# Altium PCB 2-quilter-output.PcbDoc (part 10 of 26)
Units mil, origin at the board's own origin, x right, y up, seen from the top; angles counter-clockwise.
Board outline 4130.55 x 4250 mil, 8 copper layers (L1, Ground L2, L3, Power L4, Ground L5, L6, Ground L7, L8), stack 62.985 mil thick; 591 components, 494 nets, 2245 pads, 1508 vias.
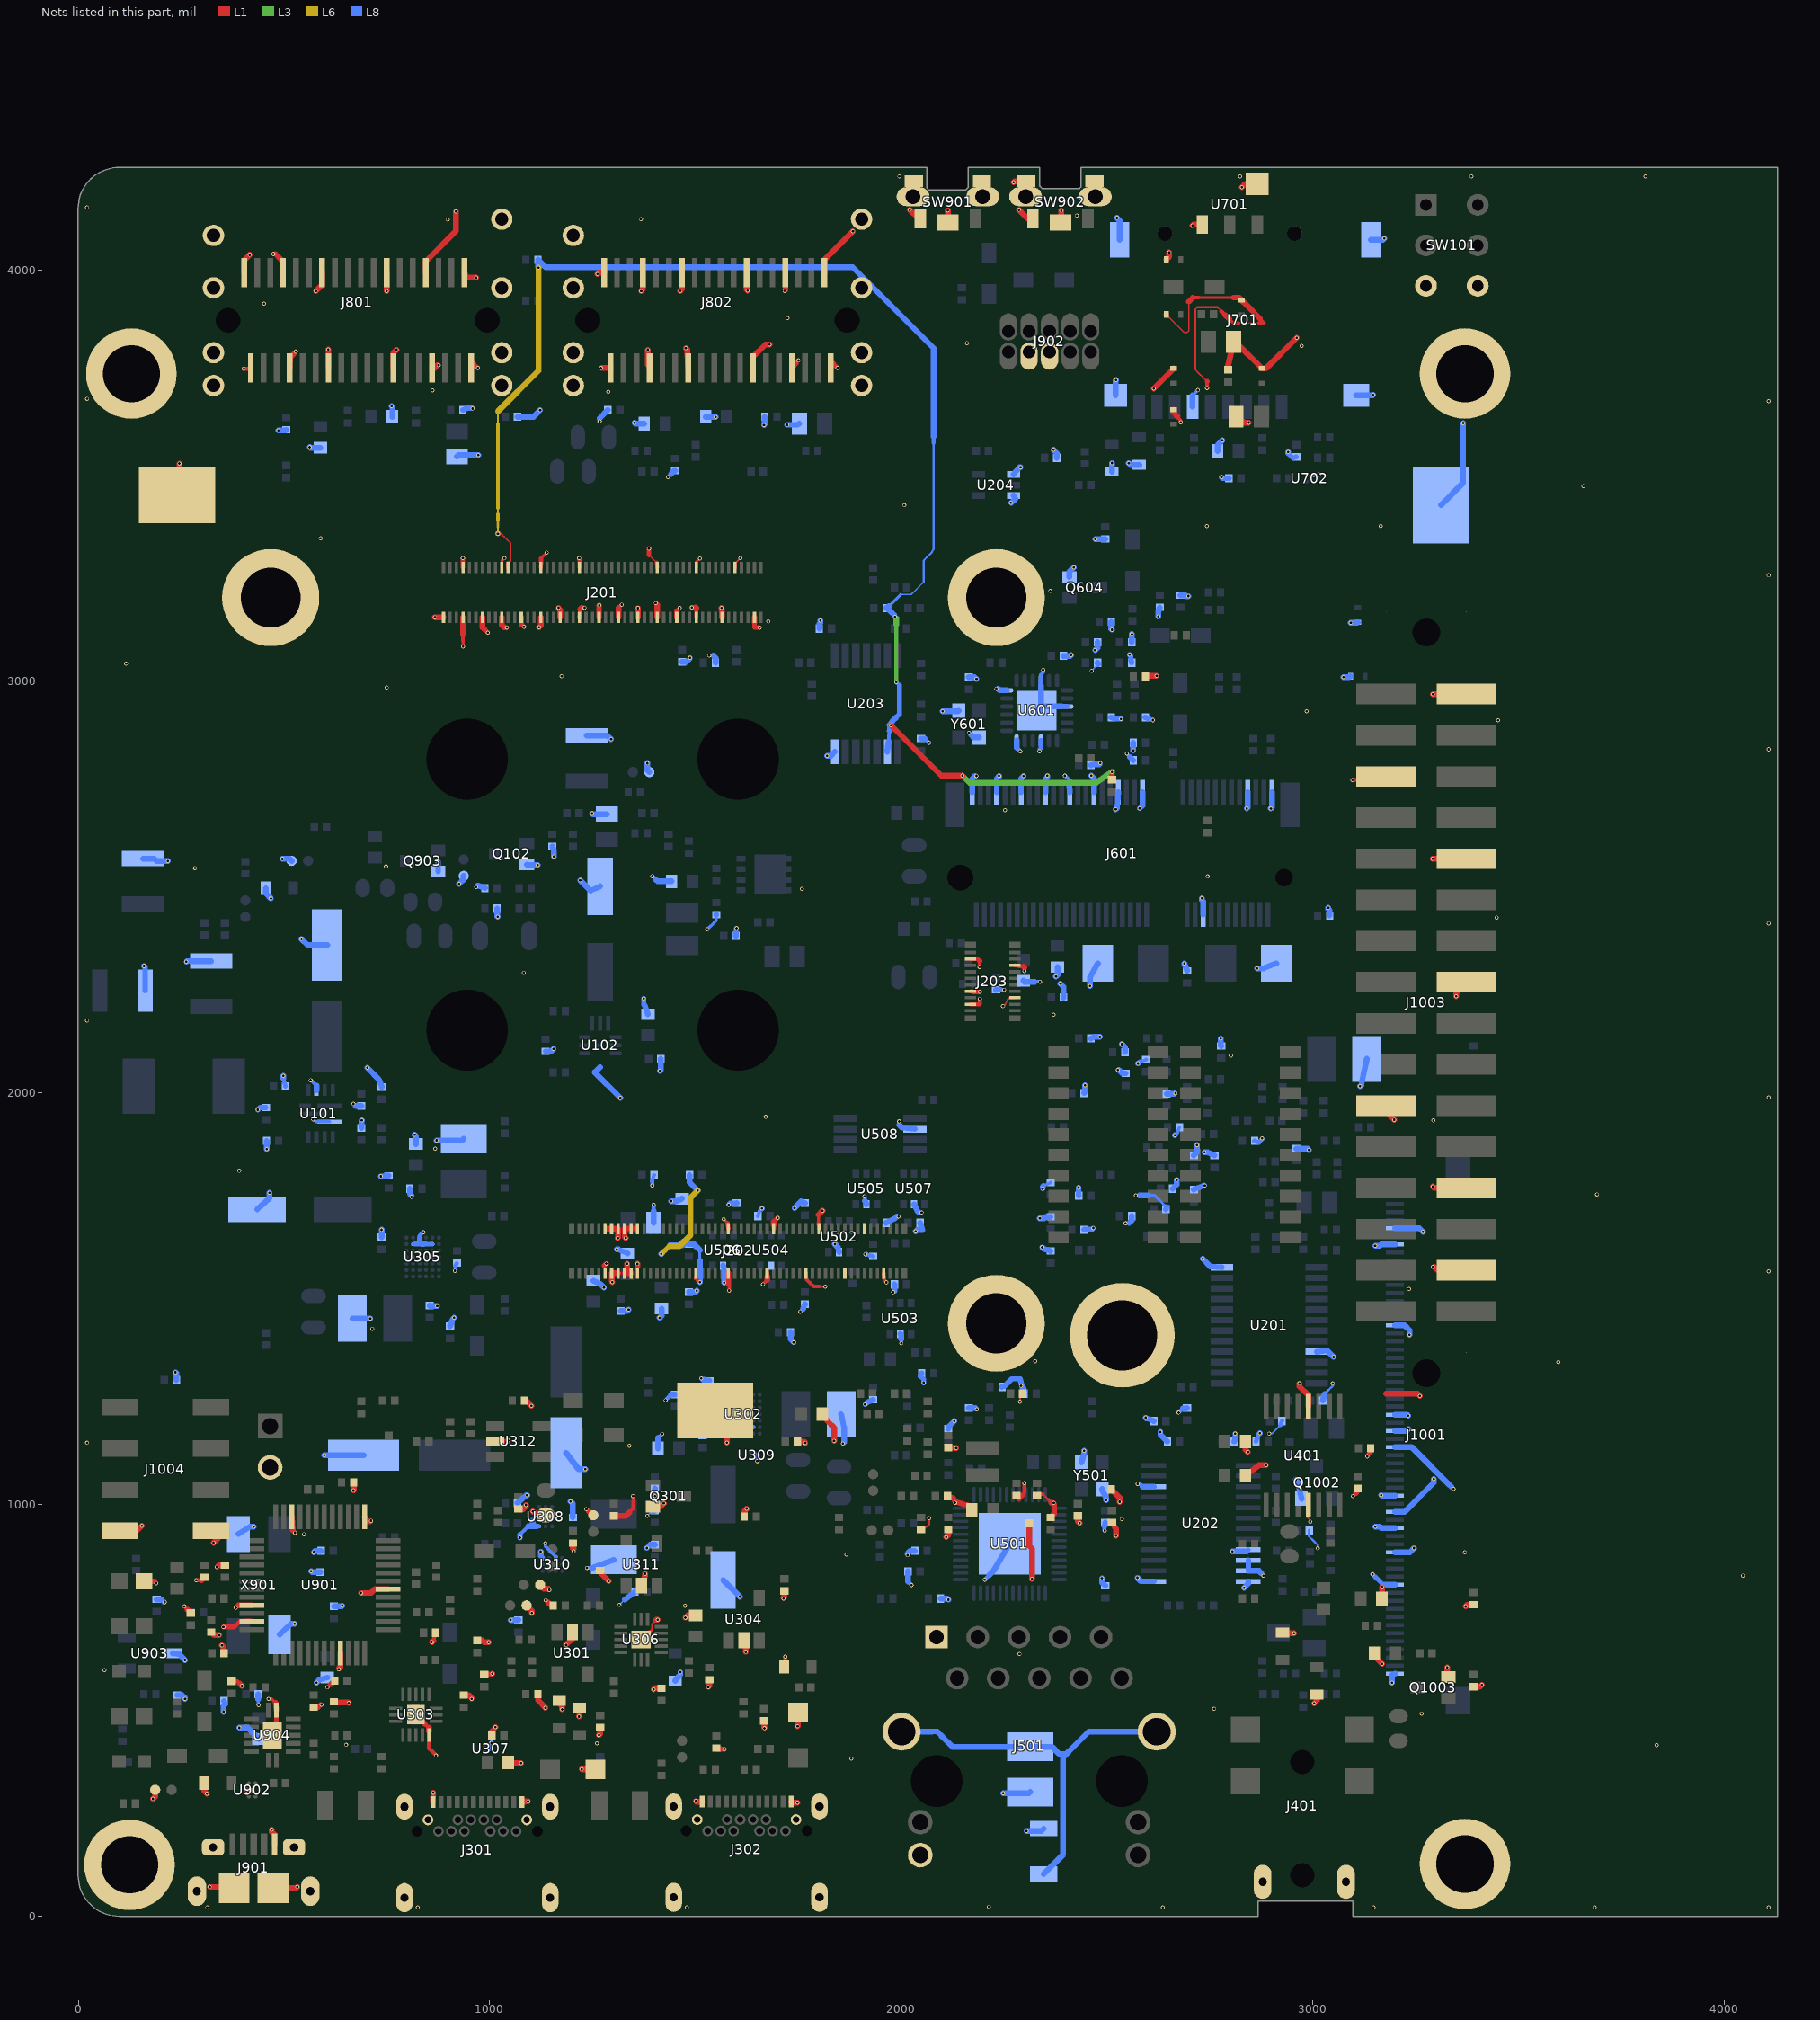
[diagram p16: the nets of this part, all layers, seen from the top]

## Via types
v1: diameter 9.85, hole 5.91, L1 to L8, tented both sides, 1508 vias

## Nets (pads, with @x,y where several pads share a name; then routed paths per layer and width w, separated by ;. In a path a pad name is that pad's centre, name@x,y a point inside that pad or via, vN(x,y) a via of type N, cw(c..) or ccw(c..) an arc to the next point about the centre after c; other vN are vias at no path point) (continued)
GND: BH1201.1 BH1202.1 BH1203.1 BH1204.1 BH1206.1 BH1207.1 BH1208.1 BH1209.1 C101.2 C103.2 C105.2 C106.2 C107.2 C108.2 C109.2 C113.2 C114.2 C116.2 C117.2 C119.2 C120.2 C121.2 C141.2 C142.2 C145.2 C157.2 C161.2 C201.2 C202.2 C203.2 C204.2 C205.2 C206.2 C207.2 C208.2 C209.2 C210.2 C211.2 C212.2 C213.2 C214.2 C215.2 C216.2 C217.2 C218.2 C219.2 C220.2 C221.2 C301.2 C302.2 C303.2 C304.2 C305.2 C308.2 C309.2 C311.2 C313.2 C314.2 C316.2 C317.2 C318.1 C319.2 C320.1 C321.2 C322.2 C323.2 C325.2 C326.2 C327.2 C329.2 C331.2 C332.1 C333.2 C334.2 C335.2 C336.1 C337.2 C338.2 C339.2 C340.2 C341.2 C342.2 C343.2 C344.2 C401.2 C402.2 C403.2 C404.1 C406.1 C407.2 C501.2 C502.2 C503.2 C504.2 C505.2 C506.2 C507.2 C508.2 C509.2 C510.2 C511.2 C512.2 C513.2 C514.2 C515.2 C516.2 C517.1 C518.2 C519.2 C520.2 C521.2 C522.2 C523.2 C524.2 C525.2 C526.2 C527.2 C603.2 C604.2 C605.2 C606.2 C607.2 C608.2 C609.2 C611.2 C613.2 C614.2 C617.2 C618.2 C620.2 C621.2 C622.2 C623.2 C624.2 C625.2 C702.2 C703.2 C704.2 C706.2 C707.2 C708.2 C801.2 C802.2 C803.2 C804.2 C805.2 C806.2 C807.2 C811.2 C812.2 C813.2 C814.2 C815.2 C901.2 C902.2 C903.2 C905.2 C906.2 C907.2 C908.2 C909.2 C910.2 C911.2 C912.2 C913.2 C914.2 C915.2 C916.2 C917.2 C918.2 C920.1 C1001.2 C1002.2 C1003.2 D101.A D301.A D303.A D702.A D703.A D704.A D705.A D706.A D707.A D708.C D1001.A D1002.A J101.2 J201.1 J201.7 J201.8 J201.13 J201.19 J201.20 J201.25 J201.31 J201.32 J201.37 J201.43 J201.44 J201.49 J201.55 J201.61 J201.67 J201.68 J201.73 J201.79 J201.80 J201.87 J201.92 J201.97 J202.9 J202.10 J202.11 J202.12 J202.13 J202.14 J202.15 J202.16 J202.17 J202.18 J202.19 J202.20 J202.47 J202.48 J202.60 J202.61 J202.72 J202.75 J202.84 J202.89 J202.96 J203.3 J203.6 J203.7 J203.16 J203.17 J301.A1 J301.A12 J301.B1 J301.B12 J301.SH1 J301.SH2 J301.SH3 J301.SH4 J302.A1 J302.A12 J302.B1 J302.B12 J302.SH1 J302.SH2 J302.SH3 J302.SH4 J401.1 J401.2 J501.1 J501.12 J601.1 J601.7 J601.18 J601.33 J601.39 J601.45 J601.51 J601.57 J601.63 J601.69 J601.75 J701.6 J701.10 J701.11 J701.12 J701.13 J801.A1 J801.A4 J801.A7 J801.A12 J801.A15 J801.A18 J801.B1 J801.B4 J801.B7 J801.B12 J801.B15 J801.B18 J801.T1 J801.T2 J801.T3 J801.T4 J801.T5 J801.T6 J801.T7 J801.T8 J802.A1 J802.A4 J802.A7 J802.A12 J802.A15 J802.A18 J802.B1 J802.B4 J802.B7 J802.B12 J802.B15 J802.B18 J802.T1 J802.T2 J802.T3 J802.T4 J802.T5 J802.T6 J802.T7 J802.T8 J901.5 J901.S1 J901.S2 J901.S3 J901.S4 J901.S5 J901.S6 J902.3 J902.5 J1001.5 J1001.7 J1001.17 J1001.28 J1001.30 J1001.32 J1001.38 J1001.40 J1001.42 J1001.45 J1001.49 J1001.60 J1003.6 J1003.9 J1003.14 J1003.20 J1003.25 J1003.30 J1003.34 J1003.39 J1004.7 J1004.8 Q102.2 Q301.2 Q604.2 Q903.2 Q1002.2 Q1003.2 R108.2 R109.2 R111.2 R115.2 R133.2 R139.2 R215.2 R301.2 R313.2 R314.2 R321.2 R322.2 R328.1 R329.1 R330.1 R333.2 R346.2 R357.2 R359.2 R361.1 R405.2 R514.1 R515.2 R517.2 R518.2 R520.2 R521.2 R522.2 R523.2 R524.2 R525.2 R618.1 R619.1 R620.1 R621.2 R622.2 R625.1 R921.2 R922.2 R930.1 R1033.2 R1102.2 R1104.2 R1106.2 R1108.2 R1110.2 R1112.2 R1114.2 R1116.2 R1118.2 R1120.2 R1122.2 R1124.2 R1126.2 R1128.2 R1130.2 R1132.2 R1134.2 R1136.2 R1139.2 R1140.2 SW101.3 SW101.6 SW901.1 SW901.3 SW901.4 SW901.5 SW901.6 SW901.7 SW902.1 SW902.3 SW902.4 SW902.5 SW902.6 SW902.7 TP1201.1 TP1202.1 TP1203.1 TVS303.1 TVS304.1 TVS307.1 TVS308.1 TVS401.1 TVS402.1 TVS701.1 TVS702.1 TVS901.1 U101.2 U101.10 U102.10 U201.12 U201.21 U202.9 U202.10 U202.11 U202.12 U202.13 U202.22 U203.7 U204.1 U204.3 U301.2 U302.A4 U302.B2 U302.B3 U302.B4 U302.B5 U303.5 U303.17 U304.2 U305.A4 U305.B2 U305.B3 U305.B4 U305.B5 U306.17 U307.B1 U308.B3 U308.D3 U309.B1 U310.B3 U310.D3 U311.2 U312.2 U401.4 U401.13 U501.49 U502.2 U503.2 U504.2 U505.2 U506.2 U507.2 U508.2 U601.6 U601.10 U601.15 U601.21 U601.24 U601.25 U701.3 U701.4 U702.B2 U901.9 U901.18 U901.25 U901.34 U901.45 U901.47 U902.B1 U903.2 U904.7 U904.15 X901.2 X901.4 Y501.2 Y501.4 Y601.2 Y601.4 | length 17087.6
  L1 w3.5: 1387.13,3306.94 1392.81,3301.25 1398.5,3295.57 1398.85,3295.57 J201.68@1405.75,3288.67 ; J201.92@1596.46,3286.53 1602.97,3293.03 v1(1609.47,3299.53) ; C504.2@2048.32,938.62 2058.31,941.63 2064.63,947.64 ; 2253.68,2214.99 2257.97,2225.44 ; D706.A@2644.37,3891.86 2655.33,3880.9 2666.27,3869.95 2677.22,3859 2688.17,3848.05 ; 2688.18,3848.05 2695.86,3848.05 2699.14,3851.32 ; 2699.14,3851.33 2699.14,3865.55 2699.14,3879.77 2699.14,3893.98 2699.14,3908.2 2699.14,3922.42 ; 2720.38,3909.21 2715.32,3904.15 2715.32,3889.45 2715.32,3874.75 2715.32,3860.06 2715.32,3845.36 2715.32,3830.67 2715.32,3815.97 2715.32,3801.27 2715.32,3786.58 2715.32,3771.88 2715.32,3757.18 2724.79,3747.71 2734.27,3738.23 2743.75,3728.75 ; 2768.94,3909.21 2778.55,3899.6 ; 2822.59,3870.76 2837.78,3870.76 2852.98,3870.76 2868.18,3870.76
  L1 w3.83: 1394.29,694.32 1394.29,708.53 1399.89,714.12 ; 2064.63,947.64 2068.37,951.38 ; v1@2248.93,2210.24 2253.68,2214.99 ; 2257.97,2225.44 2261.98,2229.46 ; v1(2289.09,1249.44) 2289.09,1260.15 C523.2@2295.32,1268.81 ; 2988.02,967.89 2994.51,961.4 v1(2994.51,958.07)
  L1 w4.85: J202.10@1278.81,1575.43 J202.10@1280.8,1561.94 ; 2344.54,1024.87 2352.14,1017.27 2359.74,1009.67 ; 2988.02,967.89 U401.13@2989.04,983.2
  L1 w5.87: J202.9@1280.8,1669.64 1284.8,1669.65 ; J202.19@1355.55,1670.35 J202.19@1359.54,1669.64 ; J202.20@1359.54,1561.94 J202.20@1359.55,1570.29 ; 1399.89,714.12 v1@1405.49,719.72 ; J201.80@1501.99,3289.68 v1(1511.09,3298.77) ; v1(1568.95,1693.01) 1578.69,1683.28 ; 1801.49,1529.1 v1(1815.54,1529.1) ; 2068.37,951.38 v1(2068.37,966.34) ; 2720.38,3909.21 2732.52,3909.21 2744.66,3909.21 2756.8,3909.21 2768.94,3909.21
  L1 w6.9: J201.20@1029.54,3276.42 1029.55,3284.68 1029.55,3292.94 v1(1035.65,3299.04) ; 1125.37,3299.48 1132.2,3306.32 v1(1139.04,3313.15) ; U306.17@1386.56,686.6 1394.29,694.32 ; 2261.98,2229.46 J203.6@2276.44,2230.9 ; 2723.44,3932.55 2737.6,3932.55 2751.77,3932.55 2765.94,3932.55 2780.11,3932.55 2794.28,3932.55 2807.94,3932.55 ; 2797.78,3880.37 2807.39,3870.76 2822.59,3870.76 ; 2868.18,3870.76 2883.37,3870.76 ; 2872.3,3881.85 2883.38,3870.77
  L1 w7.92: v1(257.62,751.8) C903.2@266.12,743.3 ; v1(462.19,527.08) 469.81,527.08 U904.7@479.67,517.22 ; v1@589.39,513.39 v1(591.24,513.39) ; v1(605.24,555.19) 606.37,555.19 614.53,563.35 ; v1(869.32,389.09) v1@869.32,390.39 ; v1@873.19,3767.95 v1(875.91,3767.95) ; 935.06,3098.86 935.06,3084.79 v1(935.53,3084.31) ; v1(1136.52,766.89) 1142.87,760.53 ; v1(1203.93,885.08) 1203.93,891.91 ; v1(1235.12,988.31) 1240.96,982.46 ; J202.10@1278.81,1575.43 1278.81,1580.29 ; J202.20@1359.55,1570.29 1359.55,1578.65 ; v1(1403.6,3190.07) 1407.5,3186.17 ; J201.80@1501.98,3276.42 J201.80@1501.99,3289.68 ; v1@1654.94,3131.24 v1(1656.05,3130.14) ; v1(1664.32,1534.67) 1674.51,1544.86 ; 1743.56,3772.71 v1(1750.67,3779.81) ; 1799.16,1683.15 1799.16,1693.37 1799.16,1703.59 ; 1959.3,1548.43 1959.3,1544.5 v1(1964.57,1539.24) ; v1(2190.92,2305.88) 2190.92,2320.28 ; v1(2247.8,2210.24) v1@2248.93,2210.24 ; v1(2299.69,2296.18) 2299.69,2304.29 ; 2709.27,3932.55 2723.44,3932.55 ; v1(2743.75,3712.82) 2743.75,3720.78 2743.75,3728.75 ; v1(3098.68,1020.04) 3105.98,1027.35 ; v1(3292.57,1577.21) v1@3296.18,1577.21
  L1 w8.94: v1(287.05,815.56) C908.2@299.66,815.56 ; v1(336.57,847.69) 340.8,851.93 ; v1(633.39,598.97) v1@633.39,601.39 ; v1@862.95,668.62 R921.2@865.82,678.19 ; 935.06,3098.86 935.06,3112.94 ; v1@1142.56,794.43 v1(1145.11,791.88) ; v1(1270.38,3761.26) v1@1272.65,3761.26 ; 1313.01,3178.73 v1(1320.74,3186.47) ; 1339.99,980.59 1348.75,989.35 1348.75,1004.51 v1(1348.75,1019.66) ; 1580.02,1535.03 1582.26,1532.79 v1(1582.26,1519.39) ; J201.92@1596.46,3276.42 J201.92@1596.46,3286.53 ; v1(1717.05,3948.74) v1@1718.98,3950.67 ; TVS308.1@1718.45,618.62 v1(1718.45,630.17) ; J202.72@1768.98,1561.94 1769.77,1553.95 1770.56,1545.97 1778.99,1537.53 1787.42,1529.1 ; 1787.43,1529.1 1801.49,1529.1 ; 1799.16,1683.15 J202.75@1800.48,1669.64 ; v1(2130.97,1003.78) v1@2132.62,1005.42 ; 2299.69,1038.44 v1(2299.69,1051.67) ; C512.2@2330.32,1021.63 2337.51,1024.87 2344.54,1024.87 ; 2672.4,3643.08 2679.64,3633.06 v1(2679.64,3629.36) ; v1(3096.91,2760.25) J1003.9@3111.66,2760.25 ; v1(3133.42,1116.51) v1@3133.42,1117.95
  L1 w9.96: 185.19,812.83 v1(189.61,808.42) ; C915.2@372.87,569.7 386.51,569.7 392.18,564.03 ; 379.56,701.96 386.17,708.57 U901.47@392.78,715.18 ; v1(382.99,748.46) 383.24,748.46 389.37,754.59 ; v1(402.79,3759.59) J801.A1@417.58,3759.59 ; v1(473.93,4038.51) 479.44,4038.51 ; v1@709.84,958.18 v1(711.75,960.09) ; U303.17@841.76,467.37 852.26,456.86 ; U303.5@852.26,448.09 U303.5@852.26,439.33 852.26,428.69 852.26,418.07 852.26,407.44 860.79,398.92 v1@869.32,390.39 ; R921.2@865.82,678.19 R921.2@868.7,687.75 ; v1(934.83,3299.26) 934.83,3287.96 934.83,3276.65 J201.8@935.06,3276.42 ; 988.72,3124.78 v1(995.14,3118.36) ; 1076.79,3139.39 v1(1083.59,3132.59) ; J201.32@1124.02,3276.42 1125.37,3290.43 ; v1(1217.62,3299.55) 1218.52,3298.65 1218.52,3287.53 J201.44@1218.51,3276.42 ; 1223.72,3178.81 v1(1230.66,3178.81) ; J201.68@1405.75,3288.67 J201.68@1407.49,3276.42 ; 1454.74,3170.72 1461.85,3177.83 v1(1461.85,3177.92) ; J201.79@1501.98,3155.16 1501.99,3166.52 1501.99,3177.88 ; J202.60@1674.51,1553.4 J202.60@1674.5,1561.94 ; v1(1714.21,770.53) v1@1714.21,773.16 ; J202.96@1957.96,1561.94 1959.3,1548.43 ; J203.3@2168.74,2215.14 2180.2,2215.14 2191.65,2215.14 v1(2191.67,2228.43) ; J203.7@2168.74,2246.65 2173.95,2246.65 J203.7@2175.46,2245.14 ; J203.17@2168.74,2325.39 2177.28,2325.39 2185.82,2325.39 2190.92,2320.29 ; J203.16@2276.44,2309.64 2286.93,2308.09 2297.42,2306.56 ; 2292.83,1021.03 2299.69,1027.88 2299.69,1038.44 ; 2359.74,1009.67 2365.19,1003.62 ; 2778.55,3899.6 2788.16,3889.98 ; U401.13@2989.04,983.2 U401.13@2990.06,998.52
  L1 w10.99: U901.47@392.78,715.18 U901.47@407.59,715.18 ; v1(408.69,305.95) 417.6,305.91 U902.B1@422.64,305.92 ; U904.15@481.46,469.6 481.46,484.67 U904.7@481.46,499.74 ; 521,936.81 v1(527.09,930.73) ; 522.18,3794.32 v1(528.91,3801.06) ; J801.A18@960.77,3771.56 v1(971.15,3761.18) ; C303.2@1005.06,448.69 v1@1014.33,457.96 ; 1035.48,3130.77 v1(1041.84,3130.77) ; 1125.37,3290.43 1125.37,3299.48 ; J201.43@1219.49,3165.35 1220.46,3175.55 ; 1387.13,3306.94 v1(1387.13,3322.59) ; v1(1491.39,3179.42) 1500.45,3179.42 ; 1578.69,1683.28 1578.69,1683.15 J202.47@1580.01,1669.64 ; J201.97@1643.72,3143.19 1643.72,3131.24 v1@1654.94,3131.24 ; J202.61@1690.24,1669.64 J202.61@1690.24,1677.94 ; J802.A18@1835.4,3771.68 v1(1845.72,3761.36) ; J203.7@2175.46,2245.14 2183.56,2245.14 v1(2191.65,2245.14) ; v1@3133.42,1117.95 3141.32,1125.85 C404.1@3141.33,1136
  L1 w12.01: v1(352.68,701.96) 365.93,701.96 379.56,701.96 ; 582.99,506.99 v1@589.39,513.39 ; v1(956.4,526.89) v1@956.4,529.14 ; J201.43@1218.51,3155.16 J201.43@1219.49,3165.35 ; v1@1265.77,3183.97 v1(1266.24,3184.45) ; 1278.81,1580.29 v1(1283.43,1584.92) ; v1(1531.3,555.71) v1@1534.06,558.47 ; 1561.34,405.34 v1(1569.97,405.34) ; v1(1667.99,455.79) v1@1667.99,457.11 ; 1690.24,1686.24 v1(1700.23,1696.24) ; J802.A15@1734.73,3761.22 J802.A15@1736.45,3765.6 ; v1@2371.05,1000.55 v1(2371.05,1003.38)
  L1 w13.03: v1(408.69,305.95) v1(408.69,305.95) ; 479.44,4038.51 488.7,4029.25 ; 982.3,3131.2 988.72,3124.78 ; 1265.77,3169.57 v1@1265.77,3183.97 ; J802.A4@1388.28,3761.22 J802.A4@1388.29,3765.21 ; 1580.02,1535.03 1580.02,1548.48 J202.48@1580.01,1561.94 ; v1@1718.98,3950.67 1718.98,3964.95 1718.98,3979.23 J802.B15@1718.98,3993.5 ; 2125.57,1015.09 v1@2132.18,1006.83 ; v1@2132.62,1005.42 v1@2132.62,1006.52 ; 2699.14,3922.42 2709.27,3932.55 ; 2807.94,3932.55 2821.6,3932.55
  L1 w14.05: J1004.8@100.38,935.79 142.6,935.79 v1(154.31,947.5) ; D708.C@160.11,812.85 185.19,812.83 ; v1(181.59,284.22) 186.99,289.62 R930.1@186.99,305.92 ; TP1201.1@240,3452 245.69,3457.69 v1(245.69,3529.41) ; C903.2@266.12,743.3 C903.2@273.34,735.72 ; C908.2@299.66,815.56 C908.2@306.52,822.41 ; TVS901.1@305.9,322.3 305.91,303.58 v1(312.72,296.77) ; v1(319.83,70.06) 376.51,70.06 J901.S3@378.89,67.71 ; J1004.7@322.88,935.79 339.54,917.42 v1(328.81,906.69) ; C902.2@323.11,689.6 330.78,681.92 v1(342.6,681.92) ; 340.8,851.93 C907.2@356.28,851.93 ; v1(349.24,657.44) 353.32,653.36 353.32,641.16 C901.2@354.46,637.95 ; 389.37,754.59 U901.45@422.4,754.59 ; 392.18,564.03 v1(397.85,558.36) ; J801.B1@403.47,3993.5 403.46,4023.09 v1(416.84,4036.46) ; U901.47@407.59,715.18 U901.47@422.4,715.19 ; J801.A1@417.58,3759.59 J801.A1@419.22,3761.22 ; v1(470.12,209.2) 470.12,204.31 477.32,197.11 J901.5@477.31,173.02 ; U904.15@471.62,438.73 473.45,456.72 U904.15@481.46,469.59 ; J901.S4@473.37,67.71 530.04,67.7 v1(532.41,70.06) ; U904.7@479.67,517.22 U904.7@481.46,499.74 ; 488.7,4029.25 497.95,4020 J801.B4@497.96,3993.5 ; J801.A4@513.71,3761.22 515.44,3787.59 522.18,3794.32 ; U901.34@518.96,969.33 521,936.81 ; C916.2@571.94,506.98 582.99,506.99 ; v1(577.6,3948.24) 592.44,3963.08 J801.B7@592.45,3993.5 ; v1(607.54,3806.12) 608.19,3805.47 J801.A7@608.19,3761.22 ; 614.53,563.35 C909.2@623.53,571.54 ; C920.1@621.7,519.9 625.39,518.79 655.44,518.79 v1(657.4,516.84) ; v1@633.39,601.39 637.15,605.14 U901.9@637.15,638.34 ; v1(668.83,1033.65) 669.63,1034.44 R922.2@669.64,1052.99 ; v1(687,784.43) 700.41,784.43 711.35,784.43 720.91,794 U901.18@753.4,793.99 ; U901.25@696.25,969.34 702.93,958.18 v1@709.84,958.18 ; v1(749.46,3948.63) 749.92,3949.09 J801.B12@749.93,3993.5 ; J801.A12@765.67,3761.22 765.67,3797.62 v1(773.77,3805.72) ; U303.17@820.76,488.54 820.75,488.37 831.26,477.87 U303.17@841.76,467.37 ; J801.B15@844.41,3993.5 844.41,4020.72 918.33,4094.64 918.33,4122.48 v1(918.33,4142.02) ; U303.5@852.26,448.09 852.26,456.86 ; v1(859.64,665.3) v1@862.95,668.62 ; J801.A15@860.16,3761.22 866.46,3761.22 v1@873.19,3767.95 ; J301.A1@861.67,276.75 861.67,287.53 862.73,288.58 v1(862.73,299.36) ; v1(867.02,3155.86) 867.72,3155.16 J201.1@887.8,3155.16 ; 935.06,3112.94 935.06,3127.01 935.06,3141.08 J201.7@935.06,3155.16 ; R301.2@936.88,536.5 949.04,536.5 v1@956.4,529.14 ; J801.B18@938.9,3993.5 943.95,3980.71 v1(967.05,3980.71) ; J801.A18@954.65,3761.22 J801.A18@960.77,3771.57 ; C320.1@970.06,669.31 982.24,669.31 986.61,664.94 v1(997.42,664.94) ; 982.3,3131.2 J201.13@982.29,3155.16 ; C318.1@986.65,586.32 1003.98,586.32 v1@1006.14,588.48 ; C303.2@1005.07,438.73 C303.2@1005.06,448.69 ; U312.2@1013.49,1152.6 1042.74,1152.6 v1(1044.96,1154.81) ; v1@1014.33,457.96 v1(1014.33,458.25) ; J201.19@1029.54,3155.16 1029.55,3136.7 1035.48,3130.77 ; C319.2@1045.42,372.33 1046.68,371.06 v1(1076.09,371.06) ; C340.2@1069.59,988.42 1081.74,988.43 1088.59,995.27 v1(1088.59,998.36) ; 1076.79,3139.39 J201.25@1076.78,3155.16 ; J301.A12@1078.21,276.75 1084.89,276.75 1086.57,278.43 v1(1093.26,278.43) ; R346.2@1084.35,1252.21 1091.33,1249.62 v1(1101.66,1239.28) ; R361.1@1089.59,754.16 1102.46,741.28 v1(1102.46,736.12) ; v1(1104.99,982.61) 1106.53,981.07 C339.2@1135.95,973.18 ; R314.2@1117.53,538.34 1117.54,523.63 v1(1135.62,505.54) ; v1(1119.9,3131.56) 1124.04,3135.7 J201.31@1124.02,3155.16 ; R357.2@1122.77,803.97 1132.3,794.43 v1@1142.56,794.43 ; 1142.87,760.53 R313.2@1149.23,754.18 ; R313.2@1149.23,754.17 R313.2@1154.36,754.16 ; v1(1167.46,3178.67) 1167.46,3177.43 1171.28,3173.61 J201.37@1171.27,3155.16 ; TVS304.1@1168.9,522.33 1176.08,506.2 v1(1176.09,501.67) ; v1@1185.85,658.32 1201.3,673.76 U301.2@1201.3,689.13 ; C344.2@1202.3,905.42 1202.28,893.55 1203.93,891.91 ; v1(1217.1,484.15) 1218.68,485.73 TVS303.1@1218.67,505.73 ; 1220.46,3175.55 1223.72,3178.81 ; v1(1223.73,356.35) 1224.35,355.73 D301.A@1257.43,355.72 ; 1240.96,982.46 1246.8,976.62 R359.2@1252.07,973.38 ; v1(1262.09,3989.91) 1265.68,3993.5 J802.B1@1278.04,3993.5 ; v1(1265.66,439.21) 1268.66,442.21 C336.1@1268.65,457.17 ; J201.49@1265.76,3155.16 1265.77,3169.57 ; C341.2@1268.65,839.01 1268.67,834.37 v1(1289.43,813.6) ; v1@1272.68,3761.22 J802.A1@1293.79,3761.22 ; 1284.8,1669.65 1292.56,1669.65 1296.56,1669.65 1300.55,1669.65 1308.31,1669.65 J202.13@1312.29,1669.64 1312.3,1647.5 v1(1311.57,1646.77) ; v1(1298.34,1539.73) 1296.56,1541.52 1296.56,1561.93 1300.55,1561.93 1308.31,1561.93 J202.14@1312.29,1561.94 ; R333.2@1301.85,971.83 1331.22,971.83 1339.99,980.59 ; J201.55@1313,3155.16 1313.01,3178.73 ; v1(1330.94,1647.17) 1328.05,1650.06 1328.05,1669.65 1332.05,1670.35 1339.8,1670.35 J202.17@1343.79,1669.64 1347.8,1670.35 J202.19@1355.55,1670.35 ; v1(1333.62,1584.34) 1333.62,1567.51 1328.05,1561.93 J202.18@1343.79,1561.94 ; v1(1359.03,1584.17) 1359.03,1579.17 1359.55,1578.65 ; v1(1360.12,3177.76) 1360.12,3155.28 J201.61@1360.24,3155.16 ; U306.17@1368.19,671.15 1371.11,671.15 1378.84,678.87 U306.17@1386.56,686.6 ; v1@1368.45,3948.55 1372.52,3952.62 J802.B4@1372.53,3993.5 ; U311.2@1369.19,802.55 1377.8,827.44 v1(1377.8,831.36) ; v1(1384.08,3805.7) 1384.08,3769.42 J802.A4@1388.29,3765.21 ; Q301.2@1397.07,994.29 1415.3,994.27 v1@1423.25,1002.22 ; v1(1398.46,550.12) 1401.42,553.09 C332.1@1417.95,553.1 ; v1@1405.49,719.72 v1(1408.44,719.72) ; J201.67@1407.49,3155.16 1407.5,3186.17 ; J201.73@1454.73,3155.16 1454.74,3170.72 ; v1(1463.42,3948.87) 1467.03,3952.48 J802.B7@1467.02,3993.5 ; v1(1475.69,724.36) 1481.28,729.94 C335.2@1500.89,729.95 ; v1(1476.78,3809.72) 1480.42,3806.08 1480.42,3796.73 J802.A7@1482.76,3761.22 ; 1500.45,3179.42 1501.99,3177.88 ; v1(1501.28,278.72) 1502.5,277.5 J302.A1@1516.28,277.49 ; v1@1534.06,558.47 C343.2@1534.07,573.39 ; TP1202.1@1548,1228 1576.55,1174.48 v1@1576.55,1149.93 ; C323.2@1550.66,407.37 1552.71,405.34 1561.34,405.34 ; v1(1563.53,3178.55) 1563.53,3174.18 1564.98,3172.72 J201.87@1564.97,3155.16 ; U304.2@1618.01,669.77 1618.01,657.89 1622.61,653.29 v1(1622.61,641.39) ; C207.2@1618.84,969.98 1618.84,982.16 1624.83,988.15 v1(1624.83,989.61) ; J802.B12@1624.5,3993.5 1624.49,3951.56 v1(1626.7,3949.34) ; J802.A12@1640.24,3761.22 1640.24,3788.44 1670.47,3818.67 v1(1680.14,3818.67) ; J201.97@1643.72,3143.19 J201.97@1643.71,3155.16 ; R321.2@1666.78,473.78 1666.77,458.32 v1@1667.99,457.11 ; 1674.51,1544.86 J202.60@1674.51,1553.4 ; J202.61@1690.24,1677.94 1690.24,1686.24 ; v1@1714.21,773.16 1716.54,775.49 R322.2@1716.55,789.21 ; TVS308.1@1715.93,604.53 1718.45,607.06 TVS308.1@1718.45,618.62 ; J302.A12@1732.82,277.49 1735.32,275 v1(1748.16,275) ; J802.A15@1736.46,3765.6 1743.56,3772.71 ; C507.2@1747.89,1152.6 1763.77,1152.6 v1(1767.16,1149.21) ; v1(1748.41,460.72) 1749.72,462.04 D303.A@1749.72,493.86 ; 1799.16,1703.59 v1(1808.78,1713.21) ; C506.2@1808.49,1219 1820.98,1202.52 1837.27,1186.23 1837.27,1170.05 v1(1837.27,1153.88) ; J802.B18@1813.47,3993.5 1813.46,4024.25 1872.04,4082.82 v1(1882.8,4093.58) ; J802.A18@1829.22,3761.22 J802.A18@1835.4,3771.68 ; v1(2021.47,4145.62) 2042.84,4124.26 SW901.1@2046.71,4124.25 ; SW901.7@2028.98,4177.79 2029.84,4177.82 SW901.5@2029.84,4215.18 ; v1(2109.64,920.37) 2114.68,925.42 C503.2@2114.67,938.62 ; C501.2@2112.85,1019.8 2125.57,1015.09 ; v1(2113.28,4144.31) 2113.64,4143.95 SW901.3@2113.63,4114.8 ; C524.2@2114.68,1137.85 2131.08,1136.69 v1(2134.15,1136.69) ; v1@2132.18,1006.83 2132.62,1006.52 2161,997.6 C508.2@2172.02,986.58 C508.2@2172.02,986.58 ; SW901.4@2196.91,4215.18 2196.91,4195.48 SW901.6@2198.28,4177.79 ; v1(2273.47,4212.59) 2276.05,4215.18 SW902.5@2303.8,4215.18 ; C509.2@2280.56,1021.63 2285.98,1014.18 2292.83,1021.03 ; v1(2286.68,4145.6) 2296.65,4135.63 2308.02,4124.26 SW902.1@2320.61,4124.25 ; 2297.42,2306.56 2299.69,2304.29 ; C505.2@2311.9,953.38 2311.91,898.91 2318.22,892.61 2318.22,838.14 v1(2318.22,818.35) ; C511.2@2363.5,968.14 2372.36,976.99 v1@2372.36,999.24 ; 2365.19,1003.62 v1@2372.36,999.24 ; v1@2371.05,1000.55 v1@2372.36,999.24 ; SW902.3@2387.53,4114.8 2387.54,4116.5 2389.18,4118.14 v1(2389.18,4143.46) ; C513.2@2429.84,971.83 2429.84,958.14 v1(2433.82,954.16) ; SW902.4@2470.87,4215.18 2470.87,4177.83 SW902.6@2472.18,4177.79 ; C510.2@2510.97,1036.39 2531.15,1016.2 v1(2531.15,1006.08) ; C502.2@2512.8,955.22 2522.57,940.2 v1(2522.58,924.19) ; C607.2@2593.91,3011.97 2595.27,3013.32 v1(2621.21,3013.32) ; v1(2614.18,3711.62) 2662.09,3759.52 D704.A@2662.09,3760.16 ; D707.A@2644.37,4024.67 2651.81,4032.11 v1(2651.81,4042.45) ; D703.A@2662.09,3660.55 2662.09,3653.39 2672.4,3643.08 ; v1(2708.64,4107.68) 2710.88,4109.92 U701.3@2732.15,4109.92 ; 2788.16,3889.98 2797.78,3880.37 ; C707.2@2794.8,3757.2 2794.81,3766.06 C706.2@2808.59,3825.23 2812.71,3825.23 2877.76,3760.18 2886.71,3760.18 v1(2961.55,3835.01) ; C703.2@2814.19,3643.05 2832.68,3630.76 2834.75,3628.69 v1(2845.21,3628.69) ; 2821.6,3932.55 D705.A@2827.98,3926.18 2839.05,3915.09 2850.13,3904.01 2861.22,3892.93 2872.3,3881.85 ; v1(2828.46,4200.79) 2836.65,4208.98 U701.4@2865.22,4208.97 ; C403.2@2836.98,1069.59 2870.17,1095.23 v1(2886.9,1095.23) ; C402.2@2836.98,1152.6 2836.99,1132.8 v1(2843.01,1126.79) ; TVS402.1@2927.29,688.34 2940.28,688.35 2941.87,686.76 v1(2954.84,686.76) ; v1(2968.48,1293.48) 2968.48,1286.69 2990.06,1265.11 U401.4@2990.06,1238.52 ; v1(3003.95,516.51) 3010.67,523.24 TVS401.1@3010.67,537.75 ; 3105.98,1027.35 C401.2@3109.98,1038.23 ; J1003.9@3111.66,2760.25 3126.41,2760.25 3141.16,2760.25 3155.91,2760.25 3170.65,2760.25 J1003.9@3179.19,2768.79 ; C406.1@3150.75,637.95 3153.64,627.76 v1(3169.11,612.28) ; C407.2@3168.76,770.75 3169.43,776.34 v1(3169.43,798.43) ; J1003.39@3179.19,1268.79 3255.37,1268.78 v1(3260.82,1263.33) ; J1003.25@3179.19,1968.79 3179.19,1954.16 v1(3198.78,1934.58) ; v1(3292.03,2568.78) J1003.14@3374.07,2568.79 ; v1(3292.39,2968.78) J1003.6@3374.07,2968.79 ; v1(3292.44,1772.08) 3295.75,1768.78 J1003.30@3374.07,1768.79 ; v1@3296.18,1577.21 3304.61,1568.78 J1003.34@3374.07,1568.79 ; v1(3327.79,603.95) 3327.79,582.61 Q1003.2@3329.94,580.46 ; v1(3349.13,2234.45) 3349.13,2243 3349.91,2243.78 J1003.20@3374.07,2268.79 ; v1(3372.17,751.8) 3376.38,756 R405.2@3391.99,756 ; R1033.2@3391.99,556.78 3406.85,556.79 v1(3411.39,561.33)